# KiCad board MEP-MAXI-85V-1-REV-2-Interface-Board.kicad_pcb (continued)
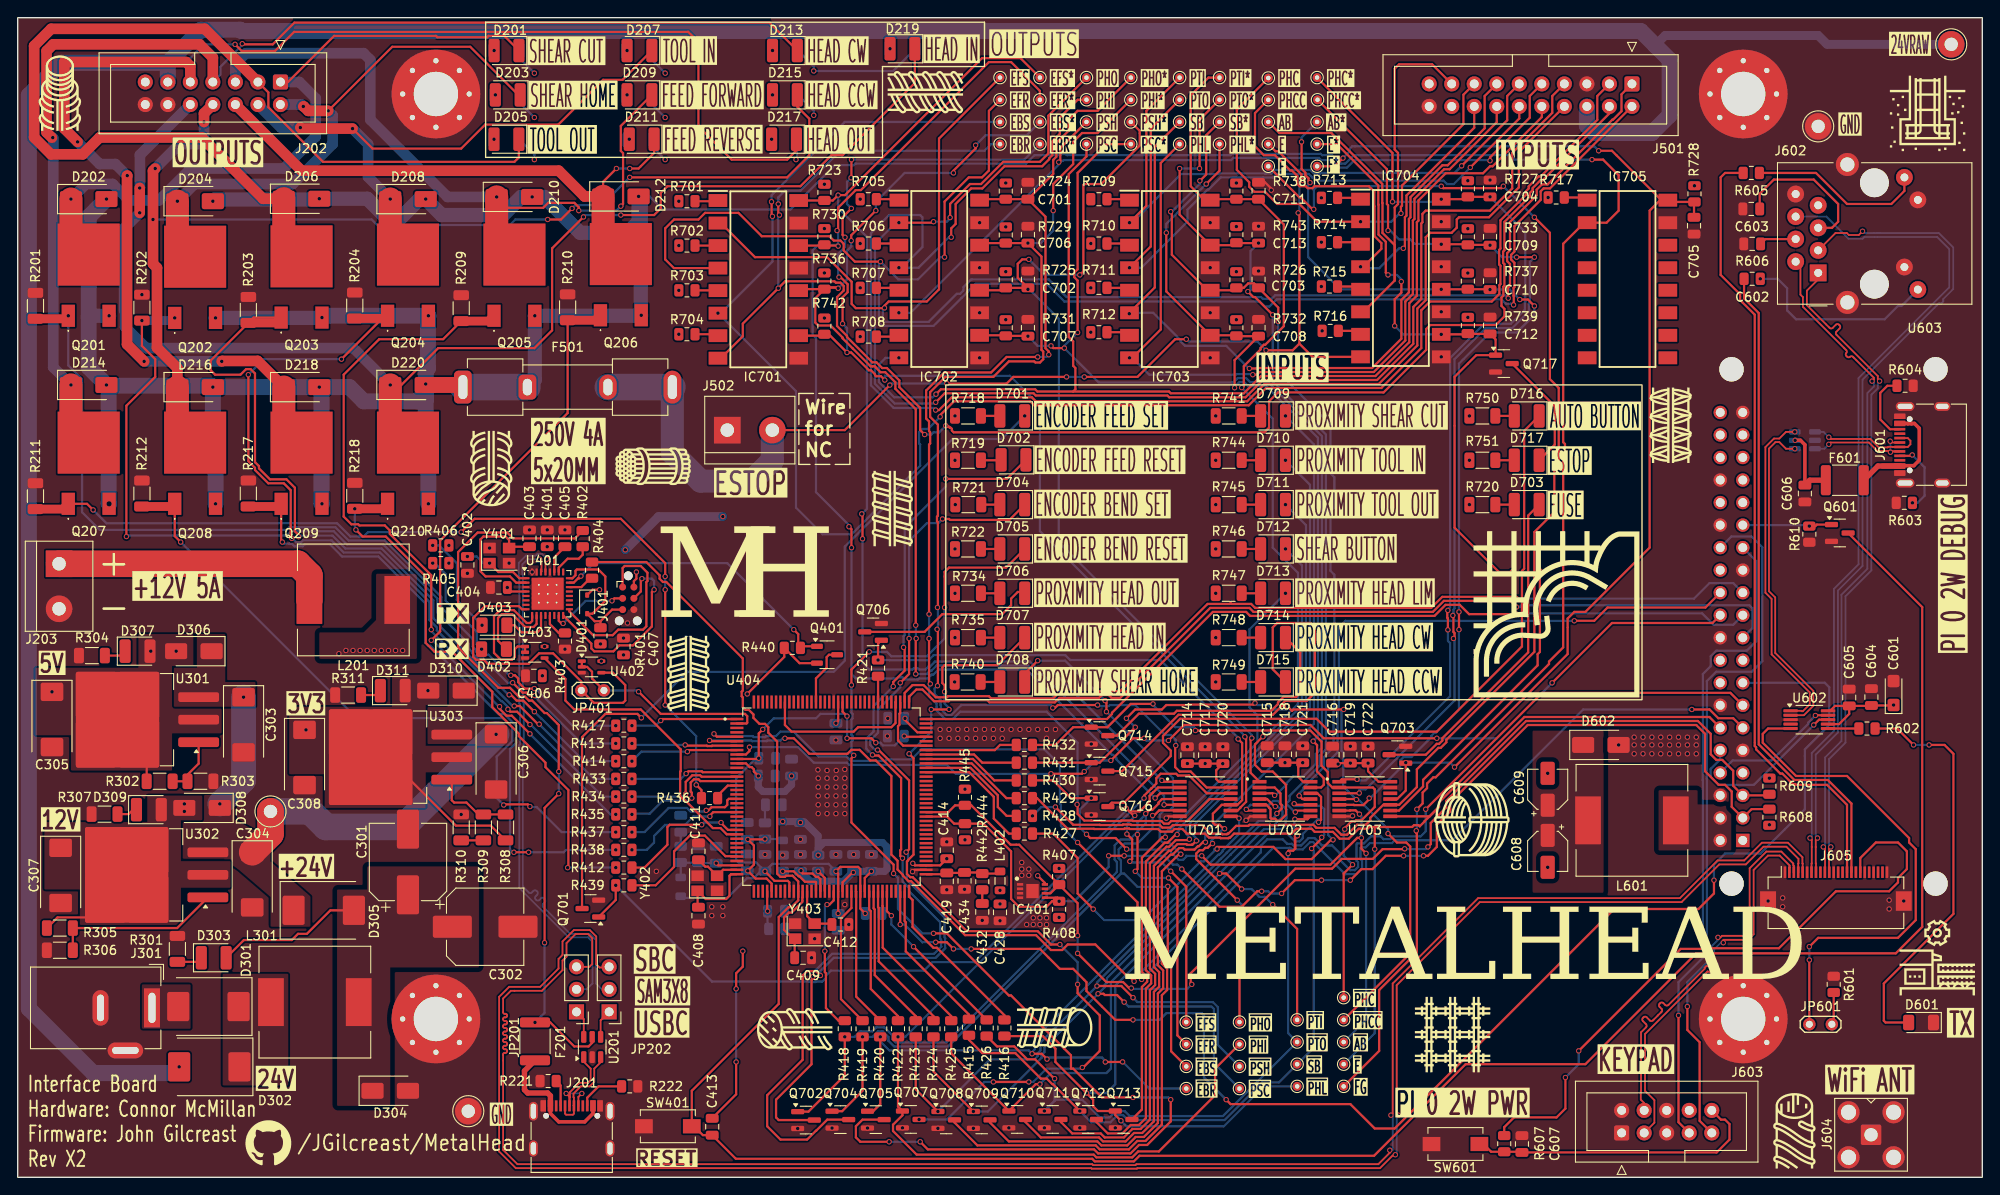
[diagram p0: board, top side]
## Routing (per net, layer and track width the routed paths; a pad name or vN(x,y) marks a point on that pad's centre or on a via; arc(x,y) is an arc through that point) (continued)
Net-(J601-CC2): length 7.9
  Top w0.25: J601.B5 211.1,84.35 210,85.45 210,88.45 210.8,89.25 R604.2
Net-(J602-PadL1): length 19.9
  Top w0.25: J602.L1 212.72,111.22 211.25,109.75 206.25,109.75 202.75,113.25 R605.1
Net-(J602-PadL4): length 22.5
  Bottom w0.25: J602.L4 212.39,98.25 212,98.25 210.5,96.75 200.5,96.75 199.5,97.75 199.5,100.25 198.44,101.31 v1(196.47,101.31)
Net-(J602-RCT): length 16.9
  Top w0.25: C603.1 196.41,110.91 198,112.5 202.5,112.5 205.25,109.75 205.25,107.75 204.56,107.06 J602.R5
Net-(J602-TCT): length 4.2
  Top w0.25: C602.1 197.05,105.79 J602.R4
Net-(JP601-B): length 3.7
  Top w0.25: R601.1 204.75,17.46 JP601.2
Net-(Q401-D): length 6.9
  Top w0.25: U404.130 90,56.25 91.2,57.45 91.2,58.65 91.47,58.92 Q401.3
Net-(R309-Pad2): length 2.5
  Top w0.25: R310.1 R309.2
Net-(U301-ADJ): length 6.6
  Top w0.25: U301.1 20.4,46.65 19.14,45.39 R303.1 R302.2
Net-(U302-ADJ): length 19.2
  Top w0.25: U302.1 17.98,28.1 R305.2 R306.1
Net-(U303-ADJ): length 9
  Top w0.25: U303.1 48.94,42.51 49.2,42.25 50.6,42.25 51.94,40.91 R309.1 R308.2
Net-(U401-PC4): length 4.7
  Top w0.25: R402.1 63.7,70.2 63.25,69.75 62,69.75 61,68.75 U401.26
Net-(U603-5V_2): length 0.4
  Top w1.6: 187.22,40.52 L601.1

## Copper pours and planes (outline as drawn; the poured copper is in the pictures)
+3V3 on Top: 30.6,45.45 30.6,53.05 42.2,53.05 42.2,56.65 48.4,56.65 48.4,53.25 46,53.25 46,48.65 51.6,48.65 51.6,45.65 46,45.65 46,41.65 34.6,41.65 34.6,45.45
+3V3 on In2.Cu: 128.25,45.5 153.5,45.5 153.5,50 128.25,50
+3V3 on In2.Cu: 80,55 80,22.25 119,22.25 119,55
+3V3 on In2.Cu: 48,56.5 48,53.5 45.5,49.75 45.5,41.75 34.75,41.75 34.75,48.75 30.5,48.75 30.5,52 34.75,52 34.75,53.25 42,53.25 42,56.5
+5V on Top: 2,49.85 2,57.45 13.6,57.45 13.6,61.25 19.8,61.25 19.8,57.65 17.4,57.65 17.4,53.05 23,53.05 23,50.05 17.4,50.05 17.4,45.85 6,45.85 6,49.85
+5V on Top: 58.75,69 57.5,69 57.5,67.75 58.75,67.75
+5V on Top, In2.Cu: 179,50.5 179,46.75 189.75,46.75 189.75,50.5
+5V on In2.Cu: 47.25,72.25 47.25,58.25 70.5,58.25 70.5,72.25
+5V on In2.Cu: 2.25,45.75 23,45.75 23,61 2.25,61
+12V on Top: 3,32.45 3,40.05 14.6,40.05 14.6,43.05 20.8,43.05 20.8,40.25 18.4,40.25 18.4,35.65 24,35.65 24,32.65 18.4,32.65 18.4,28.45 7,28.45 7,32.45
+12V on Top: 40.4,68.05 40.4,62.85 39,61.45 34,61.45 34,58.45 45,58.45 45,68.05
+24V on Top: 20.2,61.25 20.2,57.45 17.6,57.45 17.6,53.05 26.8,53.05 26.8,55.85 23.4,55.85 23.4,61.25
+24V on Top: 24.5,43.11 24.5,40.33 28.5,38.11 28.5,35.61 33,31.67 33,28.25 28.5,28.25 28.5,31.61 25,34.61 23.27,35.91 18.5,35.91 18.5,40.11 20.7,40.11 20.7,43.11
+24V on Top: 48.4,53.05 45.8,53.05 45.8,48.65 55.8,48.65 55.8,51.45 52.6,51.45 52.6,56.25 48.4,56.25
GND on Top, Bottom, In1.Cu, In2.Cu: 0,130.75 0,0 221.5,0 221.5,130.75
/Output Connections/FUSED_GND on Top: 49,92.25 49,85.75 58.5,85.75 58.5,92.25
/Signal Processing/ESTOP on Top: 75,92.25 75,85.75 65.5,85.75 65.5,92.25
Net-(D301-A) on Top: 14,21.75 14,16.75 19.5,16.75 19.5,21.75
Net-(D301-K) on Top: 23.1,22.95 23.1,10.35 30.5,10.35 30.5,22.95
Net-(D303-A) on Top: 36,32.45 36,8.05 42,8.05 42,23.65 52,23.65 52,35.05 39.4,35.05 39.4,32.45
Net-(D602-K) on Top: 170.8,32.05 178.8,32.05 178.8,50.46 170.8,50.5
Net-(U603-5V_2) on Top: 185,36.85 193.2,36.85 193.2,42.05 189.4,42.05 189.4,43.65 185,43.65

## Text on the board
User.Comments: 147.40mm x 104.28mm | 160mm x 117mm
F.Silkscreen: ~{EFS} | ~{EFR} | ~{EBS} | ~{EBR} | ~{PHO} | ~{PHI} | ~{PSH} | ~{PSC} | ~{PTI} | ~{PTO} | ~{SB} | ~{PHL} | ~{PHC} | ~{PHCC} | ~{AB} | ~{E} | EFS | EFR | EBS | EBR | EFS* | EFR* | EBS* | EBR* | PHO | PHI | PSH | PSC | PHO* | PHI* | PSH* | PSC* | PTI | PTO | SB | PHL | PTI* | PTO* | SB* | PHL* | PHC | PHCC | AB | E | F | PHC* | PHCC* | AB* | E* | F* | FG | GND | 24VRAW | SHEAR CUT | TOOL OUT | SHEAR HOME | FEED FORWARD | TOOL IN | FEED REVERSE | HEAD OUT | HEAD CW | HEAD CCW | HEAD IN | ENCODER FEED SET | ENCODER BEND SET | ENCODER BEND RESET | PROXIMITY HEAD OUT | PROXIMITY HEAD IN | PROXIMITY SHEAR HOME | ENCODER FEED RESET | PROXIMITY SHEAR CUT | PROXIMITY TOOL IN | PROXIMITY TOOL OUT | SHEAR BUTTON | PROXIMITY HEAD LIM | PROXIMITY HEAD CW | PROXIMITY HEAD CCW | ESTOP | FUSE | AUTO BUTTON | SAM3X8 | Interface Board / Hardware: Connor McMillan / Firmware: John Gilcreast / Rev X2 | 250V 4A / 5x20MM | RESET | Wire / for / NC | /JGilcreast/MetalHead | 5V | 12V | 24V | +24V | 3V3 | OUTPUTS | +12V 5A | SBC | USBC | INPUTS | PI 0 2W PWR | KEYPAD | WiFi ANT | TX | PI 0 2W DEBUG | RX | + | - | METALHEAD | M | H
